# Altium PCB spd150.PcbDoc (part 2 of 15) (continued)
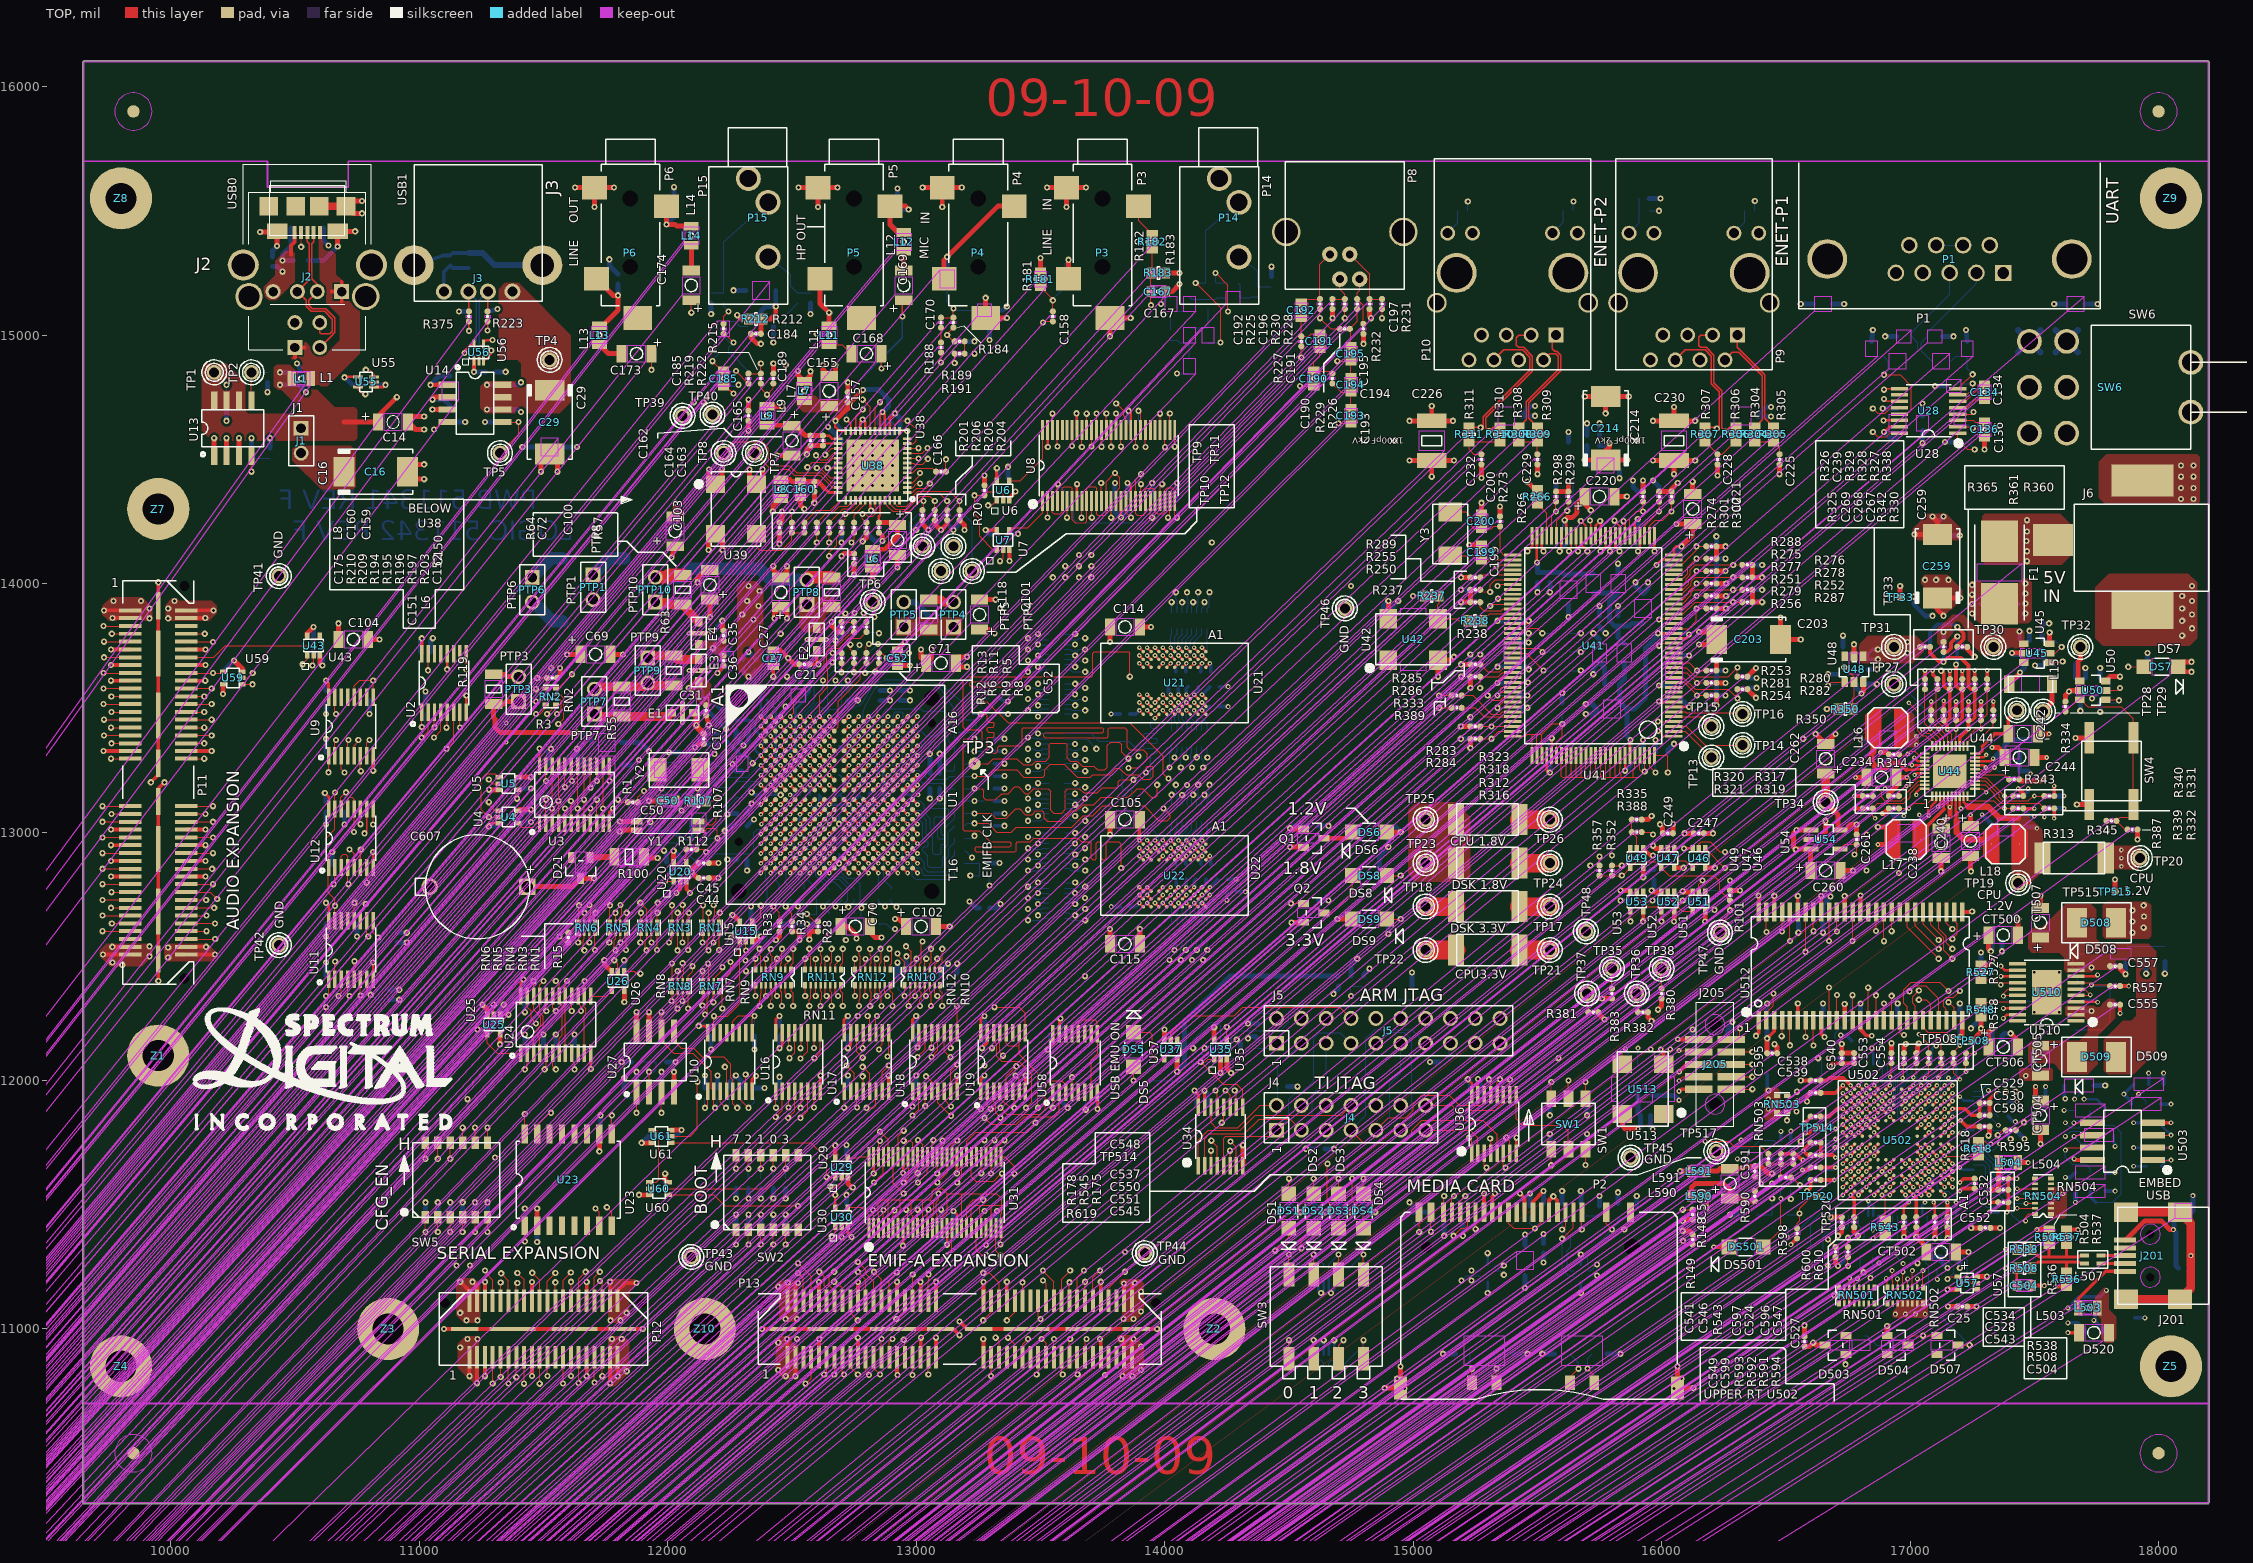
[diagram p0: TOP view]
## Footprints (in the part's own frame and the unit in brackets; to place one, negate y for a bottom-side part, rotate by r counter-clockwise, add the part's x,y. Pads: shape width x height; smd on the part's side, far side on the other; paste and mask are expansions set on the pad)
BGA54-3X9-ISSI [mil] "BGA54-3X9-ISSI"
  round 13.8 smd: A1(-126,126) A2(-94.5,126) A3(-63,126) A7(63,126) A8(94.5,126) A9(126,126) B1(-126,94.5) B2(-94.5,94.5) B3(-63,94.5) B7(63,94.5) B8(94.5,94.5) B9(126,94.5) C1(-126,63) C2(-94.5,63) C3(-63,63) C7(63,63) C8(94.5,63) C9(126,63) D1(-126,31.5) D2(-94.5,31.5) D3(-63,31.5) D7(63,31.5) D8(94.5,31.5) D9(126,31.5) E1(-126,0) E2(-94.5,0) E3(-63,0) E7(63,0) E8(94.5,0) E9(126,0) F1(-126,-31.5) F2(-94.5,-31.5) F3(-63,-31.5) F7(63,-31.5) F8(94.5,-31.5) F9(126,-31.5) G1(-126,-63) G2(-94.5,-63) G3(-63,-63) G7(63,-63) G8(94.5,-63) G9(126,-63) H1(-126,-94.5) H2(-94.5,-94.5) H3(-63,-94.5) H7(63,-94.5) H8(94.5,-94.5) H9(126,-94.5) J1(-126,-126) J2(-94.5,-126) J3(-63,-126) J7(63,-126) J8(94.5,-126) J9(126,-126)
  silkscreen extent -160,-297 160,297
BGA179-13P8RD [mil] "BGA179-13P8RD"
  round 13.8 smd: A2(-173.3,204.8) A3(-141.8,204.8) A4(-110.3,204.8) A5(-78.8,204.8) A6(-47.3,204.8) A7(-15.8,204.8) A8(15.8,204.8) A9(47.3,204.8) A10(78.8,204.8) A11(110.3,204.8) A12(141.8,204.8) A13(173.3,204.8) A14(204.8,204.8) B1(-204.8,173.3) B2(-173.3,173.3) B3(-141.8,173.3) B4(-110.3,173.3) B5(-78.8,173.3) B6(-47.3,173.3) B7(-15.8,173.3) B8(15.8,173.3) B9(47.3,173.3) B10(78.8,173.3) B11(110.3,173.3) B12(141.8,173.3) B13(173.3,173.3) B14(204.8,173.3) C1(-204.8,141.8) C2(-173.3,141.8) C3(-141.8,141.8) C4(-110.3,141.8) C5(-78.8,141.8) C6(-47.3,141.8) C7(-15.8,141.8) C8(15.8,141.8) C9(47.3,141.8) C10(78.8,141.8) C11(110.3,141.8) C12(141.8,141.8) C13(173.3,141.8) C14(204.8,141.8) D1(-204.8,110.3) D2(-173.3,110.3) D3(-141.8,110.3) D4(-110.3,110.3) D5(-78.8,110.3) D6(-47.3,110.3) D7(-15.8,110.3) D8(15.8,110.3) D9(47.3,110.3) D10(78.8,110.3) D11(110.3,110.3) D12(141.8,110.3) D13(173.3,110.3) D14(204.8,110.3) E1(-204.8,78.8) E2(-173.3,78.8) E3(-141.8,78.8) E4(-110.3,78.8) E5(-78.8,78.8) E6(-47.3,78.8) E7(-15.8,78.8) E8(15.8,78.8) E9(47.3,78.8) E10(78.8,78.8) E11(110.3,78.8) E12(141.8,78.8) E13(173.3,78.8) E14(204.8,78.8) F1(-204.8,47.3) F2(-173.3,47.3) F3(-141.8,47.3) F4(-110.3,47.3) F5(-78.8,47.3) F10(78.8,47.3) F11(110.3,47.3) F12(141.8,47.3) F13(173.3,47.3) F14(204.8,47.3) G1(-204.8,15.8) G2(-173.3,15.8) G3(-141.8,15.8) G4(-110.3,15.8) G5(-78.8,15.8) G10(78.8,15.8) G11(110.3,15.8) G12(141.8,15.8) G13(173.3,15.8) G14(204.8,15.8) H1(-204.8,-15.8) H2(-173.3,-15.8) H3(-141.8,-15.8) H4(-110.3,-15.8) H5(-78.8,-15.8) H10(78.8,-15.8) H11(110.3,-15.8) H12(141.8,-15.8) H13(173.3,-15.8) H14(204.8,-15.8) J1(-204.8,-47.3) J2(-173.3,-47.3) J3(-141.8,-47.3) J4(-110.3,-47.3) J5(-78.8,-47.3) J10(78.8,-47.3) J11(110.3,-47.3) J12(141.8,-47.3) J13(173.3,-47.3) J14(204.8,-47.3) K1(-204.8,-78.8) K2(-173.3,-78.8) K3(-141.8,-78.8) K4(-110.3,-78.8) K5(-78.8,-78.8) K6(-47.3,-78.8) K7(-15.8,-78.8) K8(15.8,-78.8) K9(47.3,-78.8) K10(78.8,-78.8) K11(110.3,-78.8) K12(141.8,-78.8) K13(173.3,-78.8) K14(204.8,-78.8) L1(-204.8,-110.3) L2(-173.3,-110.3) L3(-141.8,-110.3) L4(-110.3,-110.3) L5(-78.8,-110.3) L6(-47.3,-110.3) L7(-15.8,-110.3) L8(15.8,-110.3) L9(47.3,-110.3) L10(78.8,-110.3) L11(110.3,-110.3) L12(141.8,-110.3) L13(173.3,-110.3) L14(204.8,-110.3) M1(-204.8,-141.8) M2(-173.3,-141.8) M3(-141.8,-141.8) M4(-110.3,-141.8) M5(-78.8,-141.8) M6(-47.3,-141.8) M7(-15.8,-141.8) M8(15.8,-141.8) M9(47.3,-141.8) M10(78.8,-141.8) M11(110.3,-141.8) M12(141.8,-141.8) M13(173.3,-141.8) M14(204.8,-141.8) N1(-204.8,-173.3) N2(-173.3,-173.3) N3(-141.8,-173.3) N4(-110.3,-173.3) N5(-78.8,-173.3) N6(-47.3,-173.3) N7(-15.8,-173.3) N8(15.8,-173.3) N9(47.3,-173.3) N10(78.8,-173.3) N11(110.3,-173.3) N12(141.8,-173.3) N13(173.3,-173.3) N14(204.8,-173.3) P1(-204.8,-204.8) P2(-173.3,-204.8) P3(-141.8,-204.8) P4(-110.3,-204.8) P5(-78.8,-204.8) P6(-47.3,-204.8) P7(-15.8,-204.8) P8(15.8,-204.8) P9(47.3,-204.8) P10(78.8,-204.8) P11(110.3,-204.8) P12(141.8,-204.8) P13(173.3,-204.8) P14(204.8,-204.8)
  silkscreen extent -240,-240 240,240
C393-6545-H [mil] "C393-6545-H"
  rect 65x65 hole 47: 1(-220,0)
  round 67 hole 47: 2(173,0)
  silkscreen extent -230,-210 230,210
C402-25#1 [mil] "C402-25"
  round 25 smd: 1(20,0) 2(-20,0)
  TOP keep-out region: 5,10 5,-10 -5,-10 -5,10 5,10 11025,-13725
  silkscreen extent -4,-4 4,4
C402-25#2 [mil] "C402-25"
  round 25 smd: 1(20,0) 2(-20,0)
  TOP keep-out region: 5,10 5,-10 -5,-10 -5,10 5,10 11500,-13275
  silkscreen extent -4,-4 4,4
C402-25#3 [mil] "C402-25"
  round 25 smd: 1(20,0) 2(-20,0)
  TOP keep-out region: 5,10 5,-10 -5,-10 -5,10 5,10 -13060,-11410
  silkscreen extent -4,-4 4,4
C402-25#4 [mil] "C402-25"
  round 25 smd: 1(20,0) 2(-20,0)
  TOP keep-out region: 5,10 5,-10 -5,-10 -5,10 5,10 13350,-14200
  silkscreen extent -4,-4 4,4
C402-25#5 [mil] "C402-25"
  round 25 smd: 1(20,0) 2(-20,0)
  TOP keep-out region: 5,10 5,-10 -5,-10 -5,10 5,10 14325,13800
  silkscreen extent -4,-4 4,4
C402-25#6 [mil] "C402-25"
  round 25 smd: 1(20,0) 2(-20,0)
  TOP keep-out region: 5,10 5,-10 -5,-10 -5,10 5,10 10500,-14850
  silkscreen extent -4,-4 4,4
C402-25#7 [mil] "C402-25"
  round 25 smd: 1(-20,0) 2(20,0)
  TOP keep-out region: -5,-10 -5,10 5,10 5,-10 -5,-10 13375,-12145
  silkscreen extent -4,-4 4,4
C402-25#8 [mil] "C402-25"
  round 25 smd: 1(-20,0) 2(20,0)
  TOP keep-out region: -5,-10 -5,10 5,10 5,-10 -5,-10 12550,13675
  silkscreen extent -4,-4 4,4
C402-25#9 [mil] "C402-25"
  round 25 smd: 1(-20,0) 2(20,0)
  TOP keep-out region: -5,-10 -5,10 5,10 5,-10 -5,-10 -17210,-11090
  silkscreen extent -4,-4 4,4
C402-25#10 [mil] "C402-25"
  round 25 smd: 1(20,0) 2(-20,0)
  TOP keep-out region: 5,10 5,-10 -5,-10 -5,10 5,10 13700,12425
  silkscreen extent -4,-4 4,4
C402-25#11 [mil] "C402-25"
  round 25 smd: 1(20,0) 2(-20,0)
  TOP keep-out region: 5,10 5,-10 -5,-10 -5,10 5,10 11350,-14800
  silkscreen extent -4,-4 4,4
C402-25#12 [mil] "C402-25"
  round 25 smd: 1(-20,0) 2(20,0)
  TOP keep-out region: -5,-10 -5,10 5,10 5,-10 -5,-10 13490,-12155
  silkscreen extent -4,-4 4,4
C402-25#13 [mil] "C402-25"
  round 25 smd: 1(-20,0) 2(20,0)
  TOP keep-out region: -5,-10 -5,10 5,10 5,-10 -5,-10 13690,-12225
  silkscreen extent -4,-4 4,4
C402-25#14 [mil] "C402-25"
  round 25 smd: 1(20,0) 2(-20,0)
  TOP keep-out region: 5,10 5,-10 -5,-10 -5,10 5,10 13800,12195
  silkscreen extent -4,-4 4,4
C402-25#15 [mil] "C402-25"
  round 25 smd: 1(20,0) 2(-20,0)
  TOP keep-out region: 5,10 5,-10 -5,-10 -5,10 5,10 12315,-12645
  silkscreen extent -4,-4 4,4
C402-25#16 [mil] "C402-25"
  round 25 smd: 1(21.5,0) 2(-18.5,0)
  silkscreen extent -2,-4 6,4
C402-25#17 [mil] "C402-25"
  round 25 smd: 1(20,0) 2(-20,0)
  silkscreen extent -4,-4 4,4
C402-25#18 [mil] "C402-25"
  round 25 smd: 1(20,1.3) 2(-20,1.3)
  silkscreen extent -4,-3 4,5
C402-25#19 [mil] "C402-25"
  round 25 smd: 1(20,0) 2(-20,0)
  TOP keep-out region: 5,10 5,-10 -5,-10 -5,10 5,10 13675,12303
  silkscreen extent -4,-4 4,4
C402-25#20 [mil] "C402-25"
  round 25 smd: 1(20,0) 2(-20,0)
  TOP keep-out region: 5,10 5,-10 -5,-10 -5,10 5,10 12300,-13075
  silkscreen extent -4,-4 4,4
C402-25#21 [mil] "C402-25"
  round 25 smd: 1(20,-1) 2(-20,-1)
  silkscreen extent -4,-5 4,3
C402-25#22 [mil] "C402-25"
  round 25 smd: 1(20,-1.5) 2(-20,-1.5)
  silkscreen extent -4,-5 4,2
C402-25#23 [mil] "C402-25"
  round 25 smd: 1(20,-3.5) 2(-20,-3.5)
  silkscreen extent -4,-7 4,0
C402-25#24 [mil] "C402-25"
  round 25 smd: 1(21,0) 2(-19,0)
  silkscreen extent -3,-4 5,4
C402-25#25 [mil] "C402-25"
  round 25 smd: 1(20,1) 2(-20,1)
  silkscreen extent -4,-3 4,5
C402-25#26 [mil] "C402-25"
  round 25 smd: 1(21,1) 2(-19,1)
  silkscreen extent -3,-3 5,5
C402-25#27 [mil] "C402-25"
  round 25 smd: 1(20,0) 2(-20,0)
  TOP keep-out region: 5,10 5,-10 -5,-10 -5,10 5,10 14165.1,-12870
  silkscreen extent -4,-4 4,4
C402-25#28 [mil] "C402-25"
  round 25 smd: 1(20,0) 2(-20,0)
  TOP keep-out region: 5,10 5,-10 -5,-10 -5,10 5,10 14231.6,-12810
  silkscreen extent -4,-4 4,4
C402-25#29 [mil] "C402-25"
  round 25 smd: 1(20,0) 2(-20,0)
  TOP keep-out region: 5,10 5,-10 -5,-10 -5,10 5,10 14146.6,-12810
  silkscreen extent -4,-4 4,4
C402-25#30 [mil] "C402-25"
  round 25 smd: 1(20,0) 2(-20,0)
  TOP keep-out region: 5,10 5,-10 -5,-10 -5,10 5,10 14115.1,-13585
  silkscreen extent -4,-4 4,4
C402-25#31 [mil] "C402-25"
  round 25 smd: 1(20,0) 2(-20,0)
  TOP keep-out region: 5,10 5,-10 -5,-10 -5,10 5,10 14270.1,-12760
  silkscreen extent -4,-4 4,4
C402-25#32 [mil] "C402-25"
  round 25 smd: 1(20,0) 2(-20,0)
  TOP keep-out region: 5,10 5,-10 -5,-10 -5,10 5,10 14035.1,-13585
  silkscreen extent -4,-4 4,4
C402-25#33 [mil] "C402-25"
  round 25 smd: 1(20,0) 2(-20,0)
  TOP keep-out region: 5,10 5,-10 -5,-10 -5,10 5,10 14200.1,-13505
  silkscreen extent -4,-4 4,4
C402-25#34 [mil] "C402-25"
  round 25 smd: 1(20,0) 2(-20,0)
  TOP keep-out region: 5,10 5,-10 -5,-10 -5,10 5,10 14066.6,-12810
  silkscreen extent -4,-4 4,4
C402-25#35 [mil] "C402-25"
  round 25 smd: 1(20,0) 2(-20,0)
  TOP keep-out region: 5,10 5,-10 -5,-10 -5,10 5,10 12225,11325
  silkscreen extent -4,-4 4,4
C402-25#36 [mil] "C402-25"
  round 25 smd: 1(20,0) 2(-20,0)
  TOP keep-out region: 5,10 5,-10 -5,-10 -5,10 5,10 12400,11825
  silkscreen extent -4,-4 4,4
C402-25#37 [mil] "C402-25"
  round 25 smd: 1(20,0) 2(-20,0)
  TOP keep-out region: 5,10 5,-10 -5,-10 -5,10 5,10 12700,-11700
  silkscreen extent -4,-4 4,4
C402-25#38 [mil] "C402-25"
  round 25 smd: 1(20,0) 2(-20,0)
  TOP keep-out region: 5,10 5,-10 -5,-10 -5,10 5,10 11400,13100
  silkscreen extent -4,-4 4,4
C402-25#39 [mil] "C402-25"
  round 25 smd: 1(20,0) 2(-20,0)
  TOP keep-out region: 5,10 5,-10 -5,-10 -5,10 5,10 11325,15525
  silkscreen extent -4,-4 4,4
C402-25#40 [mil] "C402-25"
  round 25 smd: 1(20,0) 2(-20,0)
  TOP keep-out region: 5,10 5,-10 -5,-10 -5,10 5,10 12110,14305
  silkscreen extent -4,-4 4,4
C402-25#41 [mil] "C402-25"
  round 25 smd: 1(20,0) 2(-20,0)
  TOP keep-out region: 5,10 5,-10 -5,-10 -5,10 5,10 15250,-11950
  silkscreen extent -4,-4 4,4
C402-25#42 [mil] "C402-25"
  round 25 smd: 1(-20,0) 2(20,0)
  TOP keep-out region: -5,-10 -5,10 5,10 5,-10 -5,-10 14225,-12850
  silkscreen extent -4,-4 4,4
C402-25#43 [mil] "C402-25"
  round 25 smd: 1(-20,0) 2(20,0)
  TOP keep-out region: -5,-10 -5,10 5,10 5,-10 -5,-10 15075,-13550
  silkscreen extent -4,-4 4,4
C402-25#44 [mil] "C402-25"
  round 25 smd: 1(-20,0) 2(20,0)
  TOP keep-out region: -5,-10 -5,10 5,10 5,-10 -5,-10 14390,-12590
  silkscreen extent -4,-4 4,4
C402-25#45 [mil] "C402-25"
  round 25 smd: 1(-20,0) 2(20,0)
  TOP keep-out region: -5,-10 -5,10 5,10 5,-10 -5,-10 14575,-12625
  silkscreen extent -4,-4 4,4
C402-25#46 [mil] "C402-25"
  round 25 smd: 1(-20,0) 2(20,0)
  TOP keep-out region: -5,-10 -5,10 5,10 5,-10 -5,-10 14675,-12325
  silkscreen extent -4,-4 4,4
C402-25#47 [mil] "C402-25"
  round 25 smd: 1(-20,0) 2(20,0)
  TOP keep-out region: -5,-10 -5,10 5,10 5,-10 -5,-10 13100,14450
  silkscreen extent -4,-4 4,4
C402-25#48 [mil] "C402-25"
  round 25 smd: 1(-20,0) 2(20,0)
  TOP keep-out region: -5,-10 -5,10 5,10 5,-10 -5,-10 15050,-13100
  silkscreen extent -4,-4 4,4
C402-25#49 [mil] "C402-25"
  round 25 smd: 1(20,0) 2(-20,0)
  TOP keep-out region: 5,10 5,-10 -5,-10 -5,10 5,10 13175,-14975
  silkscreen extent -4,-4 4,4
C402-25#50 [mil] "C402-25"
  round 25 smd: 1(-20,0) 2(20,0)
  TOP keep-out region: -5,-10 -5,10 5,10 5,-10 -5,-10 14825,-12425
  silkscreen extent -4,-4 4,4
C402-25#51 [mil] "C402-25"
  round 25 smd: 1(-20,0) 2(20,0)
  TOP keep-out region: -5,-10 -5,10 5,10 5,-10 -5,-10 15125,-14675
  silkscreen extent -4,-4 4,4
C402-25#52 [mil] "C402-25"
  round 25 smd: 1(20,0) 2(-20,0)
  TOP keep-out region: 5,10 5,-10 -5,-10 -5,10 5,10 14900,-13875
  silkscreen extent -4,-4 4,4
C402-25#53 [mil] "C402-25"
  round 25 smd: 1(20,0) 2(-20,0)
  TOP keep-out region: 5,10 5,-10 -5,-10 -5,10 5,10 16050,-13525
  silkscreen extent -4,-4 4,4
C402-25#54 [mil] "C402-25"
  round 25 smd: 1(20,0) 2(-20,0)
  TOP keep-out region: 5,10 5,-10 -5,-10 -5,10 5,10 13850,15750
  silkscreen extent -4,-4 4,4
C402-25#55 [mil] "C402-25"
  round 25 smd: 1(20,0) 2(-20,0)
  TOP keep-out region: 5,10 5,-10 -5,-10 -5,10 5,10 14575,15700
  silkscreen extent -4,-4 4,4
C402-25#56 [mil] "C402-25"
  round 25 smd: 1(-20,0) 2(20,0)
  TOP keep-out region: -5,-10 -5,10 5,10 5,-10 -5,-10 14500,-16475
  silkscreen extent -4,-4 4,4
C402-25#57 [mil] "C402-25"
  round 25 smd: 1(-20,0) 2(20,0)
  TOP keep-out region: -5,-10 -5,10 5,10 5,-10 -5,-10 16150,12995
  silkscreen extent -4,-4 4,4
C402-25#58 [mil] "C402-25"
  round 25 smd: 1(-20,0) 2(20,0)
  TOP keep-out region: -5,-10 -5,10 5,10 5,-10 -5,-10 16025,12995
  silkscreen extent -4,-4 4,4
C402-25#59 [mil] "C402-25"
  round 25 smd: 1(20,0) 2(-20,0)
  TOP keep-out region: 5,10 5,-10 -5,-10 -5,10 5,10 16805,-13595
  silkscreen extent -4,-4 4,4
C402-25#60 [mil] "C402-25"
  round 25 smd: 1(20,0) 2(-20,0)
  TOP keep-out region: 5,10 5,-10 -5,-10 -5,10 5,10 13615,16710
  silkscreen extent -4,-4 4,4
C402-25#61 [mil] "C402-25"
  round 25 smd: 1(20,0) 2(-20,0)
  TOP keep-out region: 5,10 5,-10 -5,-10 -5,10 5,10 13545,17685
  silkscreen extent -4,-4 4,4
C402-25#62 [mil] "C402-25"
  round 25 smd: 1(20,0) 2(-20,0)
  TOP keep-out region: 5,10 5,-10 -5,-10 -5,10 5,10 12745,15875
  silkscreen extent -4,-4 4,4
C402-25#63 [mil] "C402-25"
  round 25 smd: 1(-20,0) 2(20,0)
  TOP keep-out region: -5,-10 -5,10 5,10 5,-10 -5,-10 12970,-16785
  silkscreen extent -4,-4 4,4
C402-25#64 [mil] "C402-25"
  round 25 smd: 1(20,0) 2(-20,0)
  TOP keep-out region: 5,10 5,-10 -5,-10 -5,10 5,10 11287.3,-14852
  silkscreen extent -4,-4 4,4
C402-25#65 [mil] "C402-25"
  round 25 smd: 1(20,0) 2(-20,0)
  TOP keep-out region: 5,10 5,-10 -5,-10 -5,10 5,10 13560,-12185
  silkscreen extent -4,-4 4,4
C402-25#66 [mil] "C402-25"
  round 25 smd: 1(20,0) 2(-20,0)
  TOP keep-out region: 5,10 5,-10 -5,-10 -5,10 5,10 15295,10410
  silkscreen extent -4,-4 4,4
C402-25#67 [mil] "C402-25"
  round 25 smd: 1(20,0) 2(-20,0)
  TOP keep-out region: 5,10 5,-10 -5,-10 -5,10 5,10 11975,-11775
  silkscreen extent -4,-4 4,4
C402-25#68 [mil] "C402-25"
  round 25 smd: 1(20,0) 2(-20,0)
  TOP keep-out region: 5,10 5,-10 -5,-10 -5,10 5,10 12860,11995
  silkscreen extent -4,-4 4,4
C402-25#69 [mil] "C402-25"
  round 25 smd: 1(-20,0) 2(20,0)
  TOP keep-out region: -5,-10 -5,10 5,10 5,-10 -5,-10 11430,-17025
  silkscreen extent -4,-4 4,4
C402-25#70 [mil] "C402-25"
  round 25 smd: 1(20,0) 2(-20,0)
  TOP keep-out region: 5,10 5,-10 -5,-10 -5,10 5,10 17350,-12560
  silkscreen extent -4,-4 4,4
C402-25#71 [mil] "C402-25"
  round 25 smd: 1(20,0) 2(-20,0)
  TOP keep-out region: 5,10 5,-10 -5,-10 -5,10 5,10 17885,-11045
  silkscreen extent -4,-4 4,4
C402-25#72 [mil] "C402-25"
  round 25 smd: 1(-20,0) 2(20,0)
  TOP keep-out region: -5,-10 -5,10 5,10 5,-10 -5,-10 11585,-17260
  silkscreen extent -4,-4 4,4
C402-25#73 [mil] "C402-25"
  round 25 smd: 1(-20,0) 2(20,0)
  TOP keep-out region: -5,-10 -5,10 5,10 5,-10 -5,-10 16620,11750
  silkscreen extent -4,-4 4,4
C402-25#74 [mil] "C402-25"
  round 25 smd: 1(20,0) 2(-20,0)
  TOP keep-out region: 5,10 5,-10 -5,-10 -5,10 5,10 17525,-11940
  silkscreen extent -4,-4 4,4
C402-25#75 [mil] "C402-25"
  round 25 smd: 1(20,0) 2(-20,0)
  TOP keep-out region: 5,10 5,-10 -5,-10 -5,10 5,10 17405,-11800
  silkscreen extent -4,-4 4,4
C402-25#76 [mil] "C402-25"
  round 25 smd: 1(20,0) 2(-20,0)
  TOP keep-out region: 5,10 5,-10 -5,-10 -5,10 5,10 12235,16800
  silkscreen extent -4,-4 4,4
C402-25#77 [mil] "C402-25"
  round 25 smd: 1(20,0) 2(-20,0)
  TOP keep-out region: 5,10 5,-10 -5,-10 -5,10 5,10 15935,-11860
  silkscreen extent -4,-4 4,4
C603-35X45#1 [mil] "C603-35X45"
  rrect0% 35x45 smd: 1(30,0) 2(-30,0)
  TOP keep-out region: 10,-20 -10,-20 -10,20 10,20 10,-20 -13275,-12300
  Multi-Layer keep-out region: 30,-25 -30,-25 -30,25 30,25 30,-25 -13275,-12300
  silkscreen extent -7,-7 7,7
C603-35X45#2 [mil] "C603-35X45"
  rrect0% 35x45 smd: 1(-30,0) 2(30,0)
  TOP keep-out region: -10,20 10,20 10,-20 -10,-20 -10,20 -13700,12425
  Multi-Layer keep-out region: -30,25 30,25 30,-25 -30,-25 -30,25 -13700,12425
  silkscreen extent -7,-7 7,7
C603-35X45#3 [mil] "C603-35X45"
  rrect0% 35x45 smd: 1(30,0) 2(-30,0)
  TOP keep-out region: 10,-20 -10,-20 -10,20 10,20 10,-20 13250,11970
  Multi-Layer keep-out region: 30,-25 -30,-25 -30,25 30,25 30,-25 13250,11970
  silkscreen extent -7,-7 7,7
C603-35X45#4 [mil] "C603-35X45"
  rrect0% 35x45 smd: 1(-30,0) 2(30,0)
  TOP keep-out region: -10,20 10,20 10,-20 -10,-20 -10,20 12000,13125
  Multi-Layer keep-out region: -30,25 30,25 30,-25 -30,-25 -30,25 12000,13125
  silkscreen extent -7,-7 7,7
C603-35X45#5 [mil] "C603-35X45"
  rrect0% 35x45 smd: 1(30,0) 2(-30,0)
  TOP keep-out region: 10,-20 -10,-20 -10,20 10,20 10,-20 14645,17050
  Multi-Layer keep-out region: 30,-25 -30,-25 -30,25 30,25 30,-25 14645,17050
  silkscreen extent -7,-7 7,7
C603-35X45#6 [mil] "C603-35X45"
  rrect0% 35x45 smd: 1(30,0) 2(-30,0)
  TOP keep-out region: 10,-20 -10,-20 -10,20 10,20 10,-20 14945,16845
  Multi-Layer keep-out region: 30,-25 -30,-25 -30,25 30,25 30,-25 14945,16845
  silkscreen extent -7,-7 7,7
C603-35X45#7 [mil] "C603-35X45"
  rrect0% 35x45 smd: 1(30,0) 2(-30,0)
  TOP keep-out region: 10,-20 -10,-20 -10,20 10,20 10,-20 17100,-14995
  Multi-Layer keep-out region: 30,-25 -30,-25 -30,25 30,25 30,-25 17100,-14995
  silkscreen extent -7,-7 7,7
C603-35X45#8 [mil] "C603-35X45"
  rrect0% 35x45 smd: 1(30,0) 2(-30,0)
  TOP keep-out region: 10,-20 -10,-20 -10,20 10,20 10,-20 14670,17200
  Multi-Layer keep-out region: 30,-25 -30,-25 -30,25 30,25 30,-25 14670,17200
  silkscreen extent -7,-7 7,7
C603-35X45#9 [mil] "C603-35X45"
  rrect0% 35x45 smd: 1(-30,0) 2(30,0)
  TOP keep-out region: -10,20 10,20 10,-20 -10,-20 -10,20 14620,-17300
  Multi-Layer keep-out region: -30,25 30,25 30,-25 -30,-25 -30,25 14620,-17300
  silkscreen extent -7,-7 7,7
C603-35X45#10 [mil] "C603-35X45"
  rrect0% 35x45 smd: 1(-30,0) 2(30,0)
  TOP keep-out region: -10,20 10,20 10,-20 -10,-20 -10,20 14380,-12535
  Multi-Layer keep-out region: -30,25 30,25 30,-25 -30,-25 -30,25 14380,-12535
  silkscreen extent -7,-7 7,7
C603-35X45#11 [mil] "C603-35X45"
  rrect0% 35x45 smd: 1(30,0) 2(-30,0)
  TOP keep-out region: 10,-20 -10,-20 -10,20 10,20 10,-20 15225,13500
  Multi-Layer keep-out region: 30,-25 -30,-25 -30,25 30,25 30,-25 15225,13500
  silkscreen extent -7,-7 7,7
C603-35X45#12 [mil] "C603-35X45"
  rrect0% 35x45 smd: 1(30,0) 2(-30,0)
  TOP keep-out region: 10,-20 -10,-20 -10,20 10,20 10,-20 13275,-15100
  Multi-Layer keep-out region: 30,-25 -30,-25 -30,25 30,25 30,-25 13275,-15100
  silkscreen extent -7,-7 7,7
C603-35X45#13 [mil] "C603-35X45"
  rrect0% 35x45 smd: 1(30,0) 2(-30,0)
  TOP keep-out region: 10,-20 -10,-20 -10,20 10,20 10,-20 14875,14100
  Multi-Layer keep-out region: 30,-25 -30,-25 -30,25 30,25 30,-25 14875,14100
  silkscreen extent -7,-7 7,7
C603-35X45#14 [mil] "C603-35X45"
  rrect0% 35x45 smd: 1(30,0) 2(-30,0)
  TOP keep-out region: 10,-20 -10,-20 -10,20 10,20 10,-20 15000,14100
  Multi-Layer keep-out region: 30,-25 -30,-25 -30,25 30,25 30,-25 15000,14100
  silkscreen extent -7,-7 7,7
C603-35X45#15 [mil] "C603-35X45"
  rrect0% 35x45 smd: 1(30,0) 2(-30,0)
  TOP keep-out region: 10,-20 -10,-20 -10,20 10,20 10,-20 15125,14100
  Multi-Layer keep-out region: 30,-25 -30,-25 -30,25 30,25 30,-25 15125,14100
  silkscreen extent -7,-7 7,7
C603-35X45#16 [mil] "C603-35X45"
  rrect0% 35x45 smd: 1(30,0) 2(-30,0)
  TOP keep-out region: 10,-20 -10,-20 -10,20 10,20 10,-20 14275,-15150
  Multi-Layer keep-out region: 30,-25 -30,-25 -30,25 30,25 30,-25 14275,-15150
  silkscreen extent -7,-7 7,7
C603-35X45#17 [mil] "C603-35X45"
  rrect0% 35x45 smd: 1(-30,0) 2(30,0)
  TOP keep-out region: -10,20 10,20 10,-20 -10,-20 -10,20 14125,-15275
  Multi-Layer keep-out region: -30,25 30,25 30,-25 -30,-25 -30,25 14125,-15275
  silkscreen extent -7,-7 7,7
C603-35X45#18 [mil] "C603-35X45"
  rrect0% 35x45 smd: 1(-30,0) 2(30,0)
  TOP keep-out region: -10,20 10,20 10,-20 -10,-20 -10,20 14250,-15275
  Multi-Layer keep-out region: -30,25 30,25 30,-25 -30,-25 -30,25 14250,-15275
  silkscreen extent -7,-7 7,7
C603-35X45#19 [mil] "C603-35X45"
  rrect0% 35x45 smd: 1(30,0) 2(-30,0)
  TOP keep-out region: 10,-20 -10,-20 -10,20 10,20 10,-20 17410,-13320
  Multi-Layer keep-out region: 30,-25 -30,-25 -30,25 30,25 30,-25 17410,-13320
  silkscreen extent -7,-7 7,7
C1206-40X70#1 [mil] "C1206-40X70"
  rrect0% 40x70 smd: 1(-60,0) 2(60,0)
  Multi-Layer keep-out region: -35,35 35,35 35,-35 -35,-35 -35,35 -10735,-13775
  silkscreen extent -25,-25 25,25
C1206-40X70#2 [mil] "C1206-40X70"
  rrect0% 40x70 smd: 1(60,0) 2(-60,0)
  Multi-Layer keep-out region: 35,-35 -35,-35 -35,35 35,35 35,-35 -12375,15180
  silkscreen extent -25,-25 25,25
C1206-40X70#3 [mil] "C1206-40X70"
  rrect0% 40x70 smd: 1(60,0) 2(-60,0)
  Multi-Layer keep-out region: 35,-35 -35,-35 -35,35 35,35 35,-35 16985,-12995
  silkscreen extent -25,-25 25,25
C1206-40X70-POL#1 [mil] "C1206-40X70-POL"
  rrect0% 40x70 smd: 1(60,0) 2(-60,0)
  Multi-Layer keep-out region: 35,-35 -35,-35 -35,35 35,35 35,-35 -11525,14550
  silkscreen extent -25,-25 25,25
C1206-40X70-POL#2 [mil] "C1206-40X70-POL"
  rrect0% 40x70 smd: 1(60,0) 2(-60,0)
  Multi-Layer keep-out region: 35,-35 -35,-35 -35,35 35,35 35,-35 14775,11125
  silkscreen extent -25,-25 25,25
C1206-40X70-POL#3 [mil] "C1206-40X70-POL"
  rrect0% 40x70 smd: 1(60,0) 2(-60,0)
  Multi-Layer keep-out region: 35,-35 -35,-35 -35,35 35,35 35,-35 14645,16950
  silkscreen extent -25,-25 25,25
C1206-40X70-POL#4 [mil] "C1206-40X70-POL"
  rrect0% 40x70 smd: 1(-60,0) 2(60,0)
  Multi-Layer keep-out region: -35,35 35,35 35,-35 -35,-35 -35,35 14175,-12925
  silkscreen extent -25,-25 25,25
C1206-40X70-POL#5 [mil] "C1206-40X70-POL"
  rrect0% 40x70 smd: 1(-60,0) 2(60,0)
  Multi-Layer keep-out region: -35,35 35,35 35,-35 -35,-35 -35,35 -14775,12650
  silkscreen extent -25,-25 25,25
C1206-40X70-POL#6 [mil] "C1206-40X70-POL"
  rrect0% 40x70 smd: 1(-60,0) 2(60,0)
  Multi-Layer keep-out region: -35,35 35,35 35,-35 -35,-35 -35,35 14575,-12500
  silkscreen extent -25,-25 25,25
C1206-40X70-POL#7 [mil] "C1206-40X70-POL"
  rrect0% 40x70 smd: 1(-60,0) 2(60,0)
  Multi-Layer keep-out region: -35,35 35,35 35,-35 -35,-35 -35,35 11875,14925
  silkscreen extent -25,-25 25,25
C1206-40X70-POL#8 [mil] "C1206-40X70-POL"
  rrect0% 40x70 smd: 1(60,0) 2(-60,0)
  Multi-Layer keep-out region: 35,-35 -35,-35 -35,35 35,35 35,-35 13650,16050
  silkscreen extent -25,-25 25,25
C1206-40X70-POL#9 [mil] "C1206-40X70-POL"
  rrect0% 40x70 smd: 1(60,0) 2(-60,0)
  Multi-Layer keep-out region: 35,-35 -35,-35 -35,35 35,35 35,-35 13900,15925
  silkscreen extent -25,-25 25,25
C1206-40X70-POL#10 [mil] "C1206-40X70-POL"
  rrect0% 40x70 smd: 1(60,0) 2(-60,0)
  Multi-Layer keep-out region: 35,-35 -35,-35 -35,35 35,35 35,-35 15375,-14675
  silkscreen extent -25,-25 25,25
C1206-40X70-POL#11 [mil] "C1206-40X70-POL"
  rrect0% 40x70 smd: 1(60,0) 2(-60,0)
  Multi-Layer keep-out region: 35,-35 -35,-35 -35,35 35,35 35,-35 16325,-14675
  silkscreen extent -25,-25 25,25
C1206-40X70-POL#12 [mil] "C1206-40X70-POL"
  rrect0% 40x70 smd: 1(-60,0) 2(60,0)
  Multi-Layer keep-out region: -35,35 35,35 35,-35 -35,-35 -35,35 16885,13220
  silkscreen extent -25,-25 25,25
C1206-40X70-POL#13 [mil] "C1206-40X70-POL"
  rrect0% 40x70 smd: 1(-60,0) 2(60,0)
  Multi-Layer keep-out region: -35,35 35,35 35,-35 -35,-35 -35,35 12955,-17125
  silkscreen extent -25,-25 25,25
C1206-40X70-POL#14 [mil] "C1206-40X70-POL"
  rrect0% 40x70 smd: 1(-60,0) 2(60,0)
  Multi-Layer keep-out region: -35,35 35,35 35,-35 -35,-35 -35,35 12964,-17243
  silkscreen extent -25,-25 25,25
C1206-40X70P#1 [mil] "C1206-40X70P"
  rrect0% 40x70 smd: 1(-60,0) 2(60,0)
  Multi-Layer keep-out region: -35,35 35,35 35,-35 -35,-35 -35,35 -10895,-14650
  silkscreen extent -25,-25 25,25
C1206-40X70P#2 [mil] "C1206-40X70P"
  rrect0% 40x70 smd: 1(-60,0) 2(60,0)
  Multi-Layer keep-out region: -35,35 35,35 35,-35 -35,-35 -35,35 12800,14925
  silkscreen extent -25,-25 25,25
C1206-40X70P#3 [mil] "C1206-40X70P"
  rrect0% 40x70 smd: 1(-60,0) 2(60,0)
  Multi-Layer keep-out region: -35,35 35,35 35,-35 -35,-35 -35,35 17125,11310
  silkscreen extent -25,-25 25,25
C1206-40X70P#4 [mil] "C1206-40X70P"
  rrect0% 40x70 smd: 1(-60,0) 2(60,0)
  Multi-Layer keep-out region: -35,35 35,35 35,-35 -35,-35 -35,35 11860,-17525
  silkscreen extent -25,-25 25,25
C1206-40X70P#5 [mil] "C1206-40X70P"
  rrect0% 40x70 smd: 1(-60,0) 2(60,0)
  Multi-Layer keep-out region: -35,35 35,35 35,-35 -35,-35 -35,35 12080,-17525
  silkscreen extent -25,-25 25,25
C7343-84X118 [mil] "C7343-84X118"
  rect 84x118 smd: 1(-128,0) 2(128,0)
  silkscreen extent -150,-90 150,90
CONN2X5-AMP104652 [mil] "CONN2X5-AMP104652"
  rect 29x110 smd: 1(-100,62.5) 2(-100,-67.5) 3(-50,62.5) 4(-50,-67.5) 5(0,62.5) 6(0,-67.5) 7(50,62.5) 8(50,-67.5) 9(100,62.5) 10(100,-67.5)
  round 40 / inner round 84 / far side round 40 hole 53: " "(-160,-2.5) " "(160,-2.5)
  Multi-Layer keep-out circle w1: c160,-2.5 r40
  Multi-Layer keep-out circle w1: c-160,-2.5 r40
  silkscreen extent -250,-78 250,73
CONN8-RT-RJ45-SH-HALO [mil] "CONN8-RT-RJ45-SH-HALO"
  rect 60x60 hole 40: 1(-175,285)
  round 60 hole 40: 2(-125,385) 3(-75,285) 4(-25,385) 5(25,285) 6(75,385) 7(125,285) 8(175,385) 9(-261,-125) 10(-161,-125) 11(161,-125) 12(261,-125)
  round 160 hole 128: MH1(-225,35) MH2(225,35)
  round 80 hole 63: SH1(-305,155) SH2(305,155)
  silkscreen extent -315,-425 315,425
CONN9D-6547-RT-M [mil] "CONN9D-6547-RT-M"
  rect 65x65 hole 47: 1(216,-150)
  round 67 hole 47: 2(108,-150) 3(0,-150) 4(-108,-150) 5(-216,-150) 6(162,-38) 7(54,-38) 8(-54,-38) 9(-162,-38)
  round 160 hole 125: 10(-492,-94) 11(492,-94)
  silkscreen extent -607,-294 607,294
CONN-MMC-MHC-W21-601 [mil] "CONN-MMC-MHC-W21-601"
  rect 28x79 smd: 1(268.3,378.2) 9(366.7,378.2) 14(-484.7,378.2) 15(-437.4,378.2)
  rect 20x79 smd: 2(169.8,378.2) 3(71.4,378.2) 4(-27,378.2) 5(-125.4,378.2) 6(-223.9,378.2) 7(-319.3,378.2) 8(-386.3,378.2)
  rect 40x60 smd: 10(220,-308.1) 11(121.6,-308.1) 12(-173.7,-308.1) 13(-272.1,-308.1)
  rect 16.7x79 smd: 16(-288.6,378.2) 17(-257.3,378.2) 18(-190.4,378.2) 19(-60.5,378.2) 20(6.5,378.2) 21(38,378.2) 22(104.9,378.2) 23(136.4,378.2) 24(-352.8,378.2) 25(-158.9,378.2) 26(-92,378.2)
  rect 51x94 smd: 27(554.7,-329.1) 28(-559.5,-329.1)
  round 20 / inner round 73 / far side round 20 hole 43: " "(-455.2,238.1)
  round 40 / inner round 93 / far side round 40 hole 63: " "(371.6,238.1)
  TOP keep-out region: 90.1,-238.7 90.1,-118.7 252.1,-118.7 252.1,-238.7 90.1,-238.7 -15509,-11091.8
  TOP keep-out region: -303.9,-238.7 -303.9,-118.7 -141.9,-118.7 -141.9,-238.7 -303.9,-238.7 -15509,-11091.8
  silkscreen extent -560,-375 555,378
CUI3533-10070 [mil] "CUI3533-10070"
  round 100 hole 70: 1(-150.5,0) 2(165.5,79) 5(-54.5,79)
  silkscreen extent -354,-159 355,159
DBV6-27X39-6#1 [mil] "DBV6-27X39-6"
  rect 27x39 smd: 1(-37.4,-52) 2(0,-52) 3(37.4,-52) 4(37.4,52) 5(0,52) 6(-37.4,52)
  Multi-Layer keep-out region: -20,20 20,20 20,-65 -20,-65 -20,20 13720,-17510
  silkscreen extent -60,-30 60,30
DBV6-27X39-6#2 [mil] "DBV6-27X39-6"
  rect 27x39 smd: 1(-37.4,-52) 2(0,-52) 3(37.4,-52) 4(37.4,52) 5(0,52) 6(-37.4,52)
  Multi-Layer keep-out region: -20,20 20,20 20,-65 -20,-65 -20,20 16774.6,13655.6
  silkscreen extent -60,-30 60,30
DBV6-27X39-6#3 [mil] "DBV6-27X39-6"
  rect 27x39 smd: 1(-37.4,-52) 2(0,-52) 3(37.4,-52) 4(37.4,52) 5(0,52) 6(-37.4,52)
  Multi-Layer keep-out region: -20,20 20,20 20,-65 -20,-65 -20,20 13570,-17735
  silkscreen extent -60,-30 60,30
DCK-5 [mil] "DCK-5"
  rect 18.1x26 smd: 1(-25.6,-39) 2(0,-39) 3(25.6,-39) 4(25.6,39) 5(-25.6,39)
  silkscreen extent -45,-11360 13060,25

## Text inside footprints (layer, text, board x,y; h text height)
U8: PIN_NUMBER "34" at 13935.3,14620 h15 r90; PIN_NUMBER "33" at 13955,14620 h15 r90; PIN_NUMBER "52" at 13581,14620 h15 r90; PIN_NUMBER "51" at 13600.7,14620 h15 r90; PIN_NUMBER "38" at 13856.6,14620 h15 r90; PIN_NUMBER "55" at 13522,14620 h15 r90; PIN_NUMBER "49" at 13640.1,14620 h15 r90; PIN_NUMBER "19" at 13858.6,14334 h15 r90; PIN_NUMBER "8" at 13648.1,14334 h15 r90; PIN_NUMBER "25" at 13976.6,14334 h15 r90; PIN_NUMBER "27" at 14016,14334 h15 r90; PIN_NUMBER "9" at 13667.8,14334 h15 r90; PIN_NUMBER "6" at 13608.7,14334 h15 r90; PIN_NUMBER "18" at 13838.9,14334 h15 r90; PIN_NUMBER "11" at 13701.1,14334 h15 r90; PIN_NUMBER "13" at 13740.5,14334 h15 r90; PIN_NUMBER "15" at 13779.8,14334 h15 r90; PIN_NUMBER "21" at 13897.9,14334 h15 r90; PIN_NUMBER "36" at 13895.9,14620 h15 r90; PIN_NUMBER "54" at 13541.7,14620 h15 r90; PIN_NUMBER "56" at 13503,14621 h15 r90; PIN_NUMBER "45" at 13718.8,14620 h15 r90; PIN_NUMBER "39" at 13836.9,14620 h15 r90; PIN_NUMBER "50" at 13620.4,14620 h15 r90; PIN_NUMBER "30" at 14014,14620 h15 r90; PIN_NUMBER "32" at 13974.6,14620 h15 r90; PIN_NUMBER "46" at 13699.1,14620 h15 r90; PIN_NUMBER "42" at 13777.8,14620 h15 r90; PIN_NUMBER "40" at 13817.2,14620 h15 r90; PIN_NUMBER "48" at 13659.8,14620 h15 r90; PIN_NUMBER "37" at 13876.2,14620 h15 r90; PIN_NUMBER "53" at 13561.4,14620 h15 r90; PIN_NUMBER "44" at 13738.5,14620 h15 r90; PIN_NUMBER "23" at 13937.3,14334 h15 r90; PIN_NUMBER "4" at 13569.4,14334 h15 r90; PIN_NUMBER "41" at 13797.5,14620 h15 r90; PIN_NUMBER "43" at 13758.2,14620 h15 r90; PIN_NUMBER "29" at 14035,14621 h15 r90; PIN_NUMBER "47" at 13679.4,14620 h15 r90; PIN_NUMBER "35" at 13915.6,14620 h15 r90; PIN_NUMBER "3" at 13549.7,14334 h15 r90; PIN_NUMBER "5" at 13589,14334 h15 r90; PIN_NUMBER "14" at 13760.2,14334 h15 r90; PIN_NUMBER "16" at 13799.5,14334 h15 r90; PIN_NUMBER "7" at 13628.4,14334 h15 r90; PIN_NUMBER "10" at 13681.4,14334 h15 r90; PIN_NUMBER "12" at 13720.8,14334 h15 r90; PIN_NUMBER "20" at 13878.2,14334 h15 r90; PIN_NUMBER "24" at 13957,14334 h15 r90; PIN_NUMBER "22" at 13917.6,14334 h15 r90; PIN_NUMBER "28" at 14035,14334 h15 r90; PIN_NUMBER "26" at 13996.3,14334 h15 r90; PIN_NUMBER "31" at 13994.3,14620 h15 r90; PIN_NUMBER "17" at 13819.2,14334 h15 r90; PIN_NUMBER "2" at 13530,14334 h15 r90; PIN_NUMBER "1" at 13509,14333 h15 r90; ASSEMBLY_TOP "X" at 13826,14517 h35; ASSEMBLY_TOP "X" at 13787,14518 h35; ASSEMBLY_TOP "SN74CBTLV16212DGGR" at 13704,14518 h35; SYMB_DIM "dgg56-12X80" at 13579.5,14701 h30
U9: PIN_NUMBER "11" at 10754.4,13542.6 h20 r90; PIN_NUMBER "10" at 10780,13542.6 h20 r90; PIN_NUMBER "14" at 10677.6,13542.6 h20 r90; PIN_NUMBER "13" at 10703.2,13542.6 h20 r90; PIN_NUMBER "8" at 10806.6,13296.4 h20; PIN_NUMBER "16" at 10626.4,13542.6 h20 r90; PIN_NUMBER "2" at 10653,13296.4 h20; PIN_NUMBER "7" at 10781,13296.4 h20; PIN_NUMBER "6" at 10755.4,13296.4 h20; PIN_NUMBER "4" at 10704.2,13296.4 h20; PIN_NUMBER "12" at 10728.8,13542.6 h20 r90; PIN_NUMBER "9" at 10813.6,13542.6 h20 r90; PIN_NUMBER "1" at 10627.4,13296.4 h20; PIN_NUMBER "3" at 10678.6,13296.4 h20; PIN_NUMBER "5" at 10729.8,13296.4 h20; PIN_NUMBER "15" at 10652,13542.6 h20 r90; ASSEMBLY_TOP "SN74CBTLV3257PW" at 10692,13445 h40; ASSEMBLY_TOP "X" at 10727,13445 h40; ASSEMBLY_TOP "X" at 10762,13445 h40; SYMB_DIM "PAD 14X70 OV" at 10480,12885 h40; SYMB_DIM "TSSOP16-14X70" at 10450,13875 h40; SYMB_DIM "0" at 10705,13150 h40; SYMB_DIM "0" at 10357,13405 h40
U10: PIN_NUMBER "11" at 12279.4,12192.6 h20 r90; PIN_NUMBER "10" at 12305,12192.6 h20 r90; PIN_NUMBER "14" at 12202.6,12192.6 h20 r90; PIN_NUMBER "13" at 12228.2,12192.6 h20 r90; PIN_NUMBER "8" at 12331.6,11946.4 h20; PIN_NUMBER "16" at 12151.4,12192.6 h20 r90; PIN_NUMBER "5" at 12254.8,11946.4 h20; PIN_NUMBER "2" at 12178,11946.4 h20; PIN_NUMBER "6" at 12280.4,11946.4 h20; PIN_NUMBER "3" at 12203.6,11946.4 h20; PIN_NUMBER "7" at 12306,11946.4 h20; PIN_NUMBER "1" at 12152.4,11946.4 h20; PIN_NUMBER "4" at 12229.2,11946.4 h20; PIN_NUMBER "15" at 12177,12192.6 h20 r90; PIN_NUMBER "9" at 12338.6,12192.6 h20 r90; PIN_NUMBER "12" at 12253.8,12192.6 h20 r90; ASSEMBLY_TOP "SN74CBTLV3257PW" at 12217,12095 h40; ASSEMBLY_TOP "X" at 12252,12095 h40; ASSEMBLY_TOP "X" at 12287,12095 h40; SYMB_DIM "PAD 14X70 OV" at 12005,11535 h40; SYMB_DIM "TSSOP16-14X70" at 11975,12525 h40; SYMB_DIM "0" at 12230,11800 h40; SYMB_DIM "0" at 11882,12055 h40
U11: PIN_NUMBER "14" at 10677.6,12642.6 h20 r90; PIN_NUMBER "13" at 10703.2,12642.6 h20 r90; PIN_NUMBER "8" at 10806.6,12396.4 h20; PIN_NUMBER "16" at 10626.4,12642.6 h20 r90; PIN_NUMBER "12" at 10728.8,12642.6 h20 r90; PIN_NUMBER "6" at 10755.4,12396.4 h20; PIN_NUMBER "3" at 10678.6,12396.4 h20; PIN_NUMBER "10" at 10780,12642.6 h20 r90; PIN_NUMBER "5" at 10729.8,12396.4 h20; PIN_NUMBER "2" at 10653,12396.4 h20; PIN_NUMBER "11" at 10754.4,12642.6 h20 r90; PIN_NUMBER "9" at 10813.6,12642.6 h20 r90; PIN_NUMBER "7" at 10781,12396.4 h20; PIN_NUMBER "4" at 10704.2,12396.4 h20; PIN_NUMBER "1" at 10627.4,12396.4 h20; PIN_NUMBER "15" at 10652,12642.6 h20 r90; ASSEMBLY_TOP "SN74CBTLV3257PW" at 10692,12545 h40; ASSEMBLY_TOP "X" at 10727,12545 h40; ASSEMBLY_TOP "X" at 10762,12545 h40; SYMB_DIM "PAD 14X70 OV" at 10480,11985 h40; SYMB_DIM "TSSOP16-14X70" at 10450,12975 h40; SYMB_DIM "0" at 10705,12250 h40; SYMB_DIM "0" at 10357,12505 h40
U12: PIN_NUMBER "8" at 10806.6,12846.4 h20; PIN_NUMBER "16" at 10626.4,13092.6 h20 r90; PIN_NUMBER "14" at 10677.6,13092.6 h20 r90; PIN_NUMBER "3" at 10678.6,12846.4 h20; PIN_NUMBER "4" at 10704.2,12846.4 h20; PIN_NUMBER "13" at 10703.2,13092.6 h20 r90; PIN_NUMBER "12" at 10728.8,13092.6 h20 r90; PIN_NUMBER "6" at 10755.4,12846.4 h20; PIN_NUMBER "5" at 10729.8,12846.4 h20; PIN_NUMBER "11" at 10754.4,13092.6 h20 r90; PIN_NUMBER "10" at 10780,13092.6 h20 r90; PIN_NUMBER "2" at 10653,12846.4 h20; PIN_NUMBER "7" at 10781,12846.4 h20; PIN_NUMBER "9" at 10813.6,13092.6 h20 r90; PIN_NUMBER "1" at 10627.4,12846.4 h20; PIN_NUMBER "15" at 10652,13092.6 h20 r90; ASSEMBLY_TOP "74CBTLV3253" at 10692,12995 h40; ASSEMBLY_TOP "X" at 10727,12995 h40; ASSEMBLY_TOP "X" at 10762,12995 h40; SYMB_DIM "PAD 14X70 OV" at 10480,12435 h40; SYMB_DIM "TSSOP16-14X70" at 10450,13425 h40; SYMB_DIM "0" at 10705,12700 h40; SYMB_DIM "0" at 10357,12955 h40
U13: PIN_NUMBER "1" at 10159,14515 h40; PIN_NUMBER "4" at 10309,14515 h40; PIN_NUMBER "8" at 10159,14735 h40; PIN_NUMBER "6" at 10259,14735 h40; PIN_NUMBER "7" at 10209,14735 h40; PIN_NUMBER "3" at 10259,14515 h40; PIN_NUMBER "2" at 10209,14515 h40; PIN_NUMBER "5" at 10309,14735 h40; ASSEMBLY_TOP "TPS2065D" at 10125,14585 h40; ASSEMBLY_TOP "X" at 10165,14585 h40; ASSEMBLY_TOP "X" at 10205,14585 h40; SYMB_DIM "PAD 25X75OV" at 10025,14275 h40; SYMB_DIM "SM  33X83OV" at 10025,14200 h40; SYMB_DIM "SP  25X75OV" at 10025,14125 h40; SYMB_DIM "SO8-25X75" at 10010,15095 h40; SYMB_DIM "0" at 10230,14355 h40; SYMB_DIM "0" at 10005,14605 h40
U14: PIN_NUMBER "1" at 11099,14800 h40 r270; PIN_NUMBER "7" at 11319,14750 h40 r270; PIN_NUMBER "8" at 11319,14800 h40 r270; PIN_NUMBER "6" at 11319,14700 h40 r270; PIN_NUMBER "3" at 11099,14700 h40 r270; PIN_NUMBER "2" at 11099,14750 h40 r270; PIN_NUMBER "4" at 11099,14650 h40 r270; PIN_NUMBER "5" at 11319,14650 h40 r270; ASSEMBLY_TOP "TPS2065D" at 11185,14850 h40 r270; ASSEMBLY_TOP "X" at 11185,14810 h40 r270; ASSEMBLY_TOP "X" at 11185,14770 h40 r270; SYMB_DIM "PAD 25X75OV" at 10875,14950 h40 r270; SYMB_DIM "SM  33X83OV" at 10800,14950 h40 r270; SYMB_DIM "SP  25X75OV" at 10725,14950 h40 r270; SYMB_DIM "SO8-25X75" at 11695,14965 h40 r270; SYMB_DIM "0" at 10955,14745 h40 r270; SYMB_DIM "0" at 11205,14970 h40 r270
U15: PIN_NUMBER "3" at 12324.6,12561 h40; PIN_NUMBER "2" at 12299,12561 h40; PIN_NUMBER "4" at 12324.6,12639 h40; PIN_NUMBER "5" at 12273.4,12639 h40; PIN_NUMBER "1" at 12273.4,12561 h40; ASSEMBLY_TOP "PART#" at 12198.9,12479.1 h40.2; ASSEMBLY_TOP "TOL" at 12259.1,12685.8 h40.2; ASSEMBLY_TOP "SN74CBTLV1G125" at 12213.8,12640.9 h40.2; SYMB_DIM "0" at 12400,12585 h29.9; SYMB_DIM "0" at 12300,12709.8 h29.9
U16: PIN_NUMBER "6" at 12555.4,11946.4 h20; PIN_NUMBER "15" at 12452,12192.6 h20 r90; PIN_NUMBER "8" at 12606.6,11946.4 h20; PIN_NUMBER "12" at 12528.8,12192.6 h20 r90; PIN_NUMBER "1" at 12427.4,11946.4 h20; PIN_NUMBER "4" at 12504.2,11946.4 h20; PIN_NUMBER "7" at 12581,11946.4 h20; PIN_NUMBER "16" at 12426.4,12192.6 h20 r90; PIN_NUMBER "3" at 12478.6,11946.4 h20; PIN_NUMBER "14" at 12477.6,12192.6 h20 r90; PIN_NUMBER "11" at 12554.4,12192.6 h20 r90; PIN_NUMBER "5" at 12529.8,11946.4 h20; PIN_NUMBER "2" at 12453,11946.4 h20; PIN_NUMBER "9" at 12613.6,12192.6 h20 r90; PIN_NUMBER "13" at 12503.2,12192.6 h20 r90; PIN_NUMBER "10" at 12580,12192.6 h20 r90; ASSEMBLY_TOP "SN74CBTLV3257PW" at 12492,12095 h40; ASSEMBLY_TOP "X" at 12527,12095 h40; ASSEMBLY_TOP "X" at 12562,12095 h40; SYMB_DIM "PAD 14X70 OV" at 12280,11535 h40; SYMB_DIM "TSSOP16-14X70" at 12250,12525 h40; SYMB_DIM "0" at 12505,11800 h40; SYMB_DIM "0" at 12157,12055 h40
U17: PIN_NUMBER "15" at 12727,12192.6 h20 r90; PIN_NUMBER "8" at 12881.6,11946.4 h20; PIN_NUMBER "12" at 12803.8,12192.6 h20 r90; PIN_NUMBER "6" at 12830.4,11946.4 h20; PIN_NUMBER "11" at 12829.4,12192.6 h20 r90; PIN_NUMBER "13" at 12778.2,12192.6 h20 r90; PIN_NUMBER "16" at 12701.4,12192.6 h20 r90; PIN_NUMBER "7" at 12856,11946.4 h20; PIN_NUMBER "14" at 12752.6,12192.6 h20 r90; PIN_NUMBER "4" at 12779.2,11946.4 h20; PIN_NUMBER "9" at 12888.6,12192.6 h20 r90; PIN_NUMBER "1" at 12702.4,11946.4 h20; PIN_NUMBER "3" at 12753.6,11946.4 h20; PIN_NUMBER "10" at 12855,12192.6 h20 r90; PIN_NUMBER "5" at 12804.8,11946.4 h20; PIN_NUMBER "2" at 12728,11946.4 h20; ASSEMBLY_TOP "SN74CBTLV3257PW" at 12767,12095 h40; ASSEMBLY_TOP "X" at 12802,12095 h40; ASSEMBLY_TOP "X" at 12837,12095 h40; SYMB_DIM "PAD 14X70 OV" at 12555,11535 h40; SYMB_DIM "TSSOP16-14X70" at 12525,12525 h40; SYMB_DIM "0" at 12780,11800 h40; SYMB_DIM "0" at 12432,12055 h40
U18: PIN_NUMBER "15" at 13002,12192.6 h20 r90; PIN_NUMBER "8" at 13156.6,11946.4 h20; PIN_NUMBER "3" at 13028.6,11946.4 h20; PIN_NUMBER "16" at 12976.4,12192.6 h20 r90; PIN_NUMBER "1" at 12977.4,11946.4 h20; PIN_NUMBER "13" at 13053.2,12192.6 h20 r90; PIN_NUMBER "10" at 13130,12192.6 h20 r90; PIN_NUMBER "6" at 13105.4,11946.4 h20; PIN_NUMBER "9" at 13163.6,12192.6 h20 r90; PIN_NUMBER "12" at 13078.8,12192.6 h20 r90; PIN_NUMBER "14" at 13027.6,12192.6 h20 r90; PIN_NUMBER "11" at 13104.4,12192.6 h20 r90; PIN_NUMBER "5" at 13079.8,11946.4 h20; PIN_NUMBER "2" at 13003,11946.4 h20; PIN_NUMBER "7" at 13131,11946.4 h20; PIN_NUMBER "4" at 13054.2,11946.4 h20; ASSEMBLY_TOP "SN74CBTLV3257PW" at 13042,12095 h40; ASSEMBLY_TOP "X" at 13077,12095 h40; ASSEMBLY_TOP "X" at 13112,12095 h40; SYMB_DIM "PAD 14X70 OV" at 12830,11535 h40; SYMB_DIM "TSSOP16-14X70" at 12800,12525 h40; SYMB_DIM "0" at 13055,11800 h40; SYMB_DIM "0" at 12707,12055 h40
U19: PIN_NUMBER "15" at 13277,12192.6 h20 r90; PIN_NUMBER "1" at 13252.4,11946.4 h20; PIN_NUMBER "8" at 13431.6,11946.4 h20; PIN_NUMBER "14" at 13302.6,12192.6 h20 r90; PIN_NUMBER "3" at 13303.6,11946.4 h20; PIN_NUMBER "5" at 13354.8,11946.4 h20; PIN_NUMBER "7" at 13406,11946.4 h20; PIN_NUMBER "16" at 13251.4,12192.6 h20 r90; PIN_NUMBER "9" at 13438.6,12192.6 h20 r90; PIN_NUMBER "13" at 13328.2,12192.6 h20 r90; PIN_NUMBER "4" at 13329.2,11946.4 h20; PIN_NUMBER "6" at 13380.4,11946.4 h20; PIN_NUMBER "12" at 13353.8,12192.6 h20 r90; PIN_NUMBER "10" at 13405,12192.6 h20 r90; PIN_NUMBER "11" at 13379.4,12192.6 h20 r90; PIN_NUMBER "2" at 13278,11946.4 h20; ASSEMBLY_TOP "74CBTLV3253" at 13317,12095 h40; ASSEMBLY_TOP "X" at 13352,12095 h40; ASSEMBLY_TOP "X" at 13387,12095 h40; SYMB_DIM "PAD 14X70 OV" at 13105,11535 h40; SYMB_DIM "TSSOP16-14X70" at 13075,12525 h40; SYMB_DIM "0" at 13330,11800 h40; SYMB_DIM "0" at 12982,12055 h40
U20: PIN_NUMBER "2" at 12034,12801 h40; PIN_NUMBER "3" at 12059.6,12801 h40; PIN_NUMBER "1" at 12008.4,12801 h40; PIN_NUMBER "4" at 12059.6,12879 h40; PIN_NUMBER "5" at 12008.4,12879 h40; ASSEMBLY_TOP "PART#" at 11933.9,12719.1 h40.2; ASSEMBLY_TOP "TOL" at 11994.1,12925.8 h40.2; ASSEMBLY_TOP "SN74LVC1G32" at 11948.8,12880.9 h40.2; SYMB_DIM "0" at 12135,12825 h29.9; SYMB_DIM "0" at 12035,12949.8 h29.9